# Altium PCB DB_ADCS.PcbDoc (part 1 of 2) (continued)
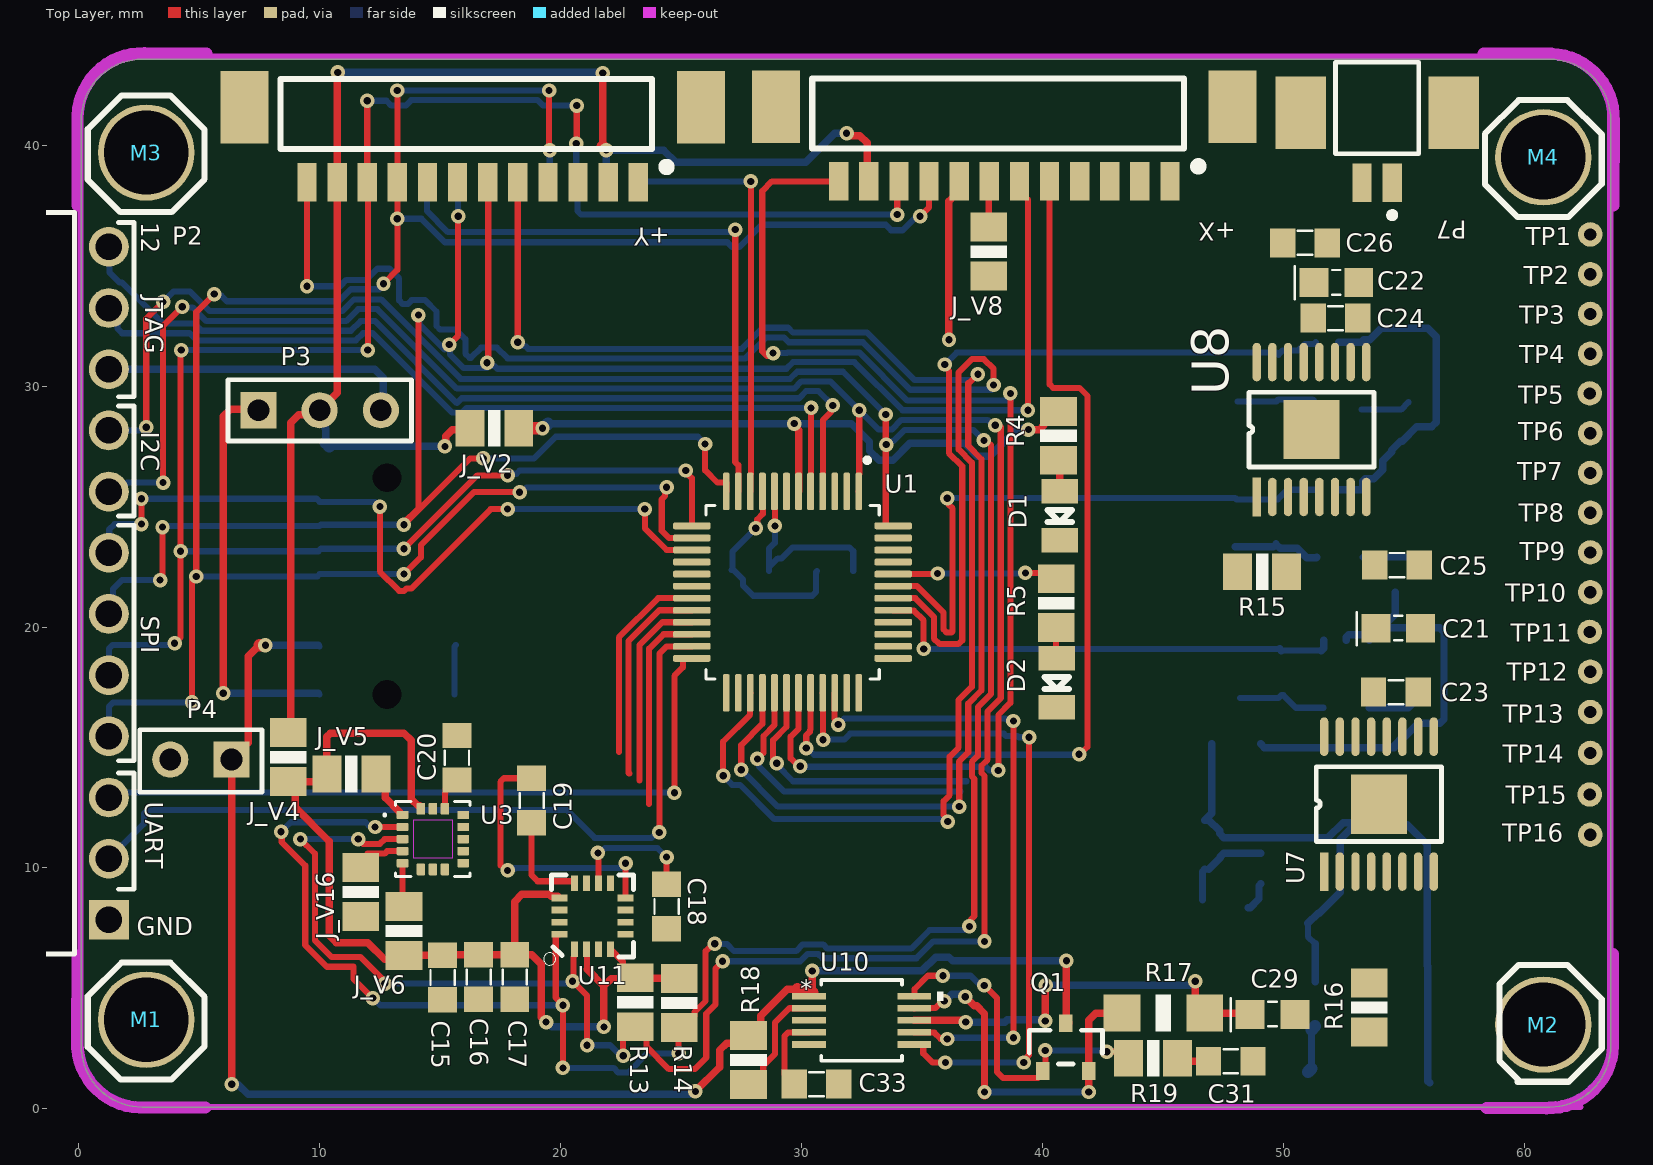
[diagram p0: Top Layer view]
## Part data (continued)
C19 C33: library part Cap_Cer_X7R_0.22uF_0805, "CAP CER 0.22UF 50V X7R 0805", Capacitance=220nF, Case Code (Imperial)=0805, Case Code (Metric)=2012, Dielectric=X7R, Dielectric Material=Ceramic, Manufacturer=KEMET, Manufacturer Part Number=C0805C224K5RACTU, Max Operating Temperature=125°C, Min Operating Temperature=-55°C, Package Quantity=1, Supplier Part Number 1=399-3491-1-ND, Tolerance=10%, Voltage=50V, Case/Package=0805, Category="Ceramic Capacitors", ComponentLink1Description=https://datasheet.ciiva.com/7842/kem-c1002-x7r-smd-7842582.pdf?src-supplier=Element14, ComponentLink1URL=https://datasheet.ciiva.com/7842/kem-c1002-x7r-smd-7842582.pdf?src-supplier=Element14, ComponentLink2Description=https://datasheet.ciiva.com/18193/getdatasheetpartid-304413-18193686.pdf?src-supplier=Verical, ComponentLink2URL=https://datasheet.ciiva.com/18193/getdatasheetpartid-304413-18193686.pdf?src-supplier=Verical, ComponentLink3Description=https://datasheet.ciiva.com/14589/70095383-14589519.pdf?src-supplier=Allied+Electronics, ComponentLink3URL=https://datasheet.ciiva.com/14589/70095383-14589519.pdf?src-supplier=Allied+Electronics, ComponentLink4Description=https://datasheet.ciiva.com/14603/70095383-14603247.pdf?src-supplier=Allied+Electronics, ComponentLink4URL=https://datasheet.ciiva.com/14603/70095383-14603247.pdf?src-supplier=Allied+Electronics, ComponentLink5Description=https://datasheet.ciiva.com/28682/1851736-28682316.pdf?src-supplier=Element14, ComponentLink5URL=https://datasheet.ciiva.com/28682/1851736-28682316.pdf?src-supplier=Element14, Depth=1.25mm, Dissipation Factor=2.5%, Height=1.1mm, Lead Pitch=0.75mm, Length=2mm, Mount="Surface Mount,PCB", Packaging="Tape and Reel", Pricing 1="1=0,20000, 10=0,13900, 100=0,06550, 500=0,04592, 1000=0,03802 (USD)", Radiation Hardening=No, REACH SVHC="No SVHC", RoHS=Yes, Stock 1=1491563, Supplier 1=Digi-Key, Termination=SMD/SMT, Thickness=0.055inch, Voltage Rating=50V, Voltage Rating (DC)=50V, Width=0.049inch
C20: library part Cap_Cer_X7R_0.47uF_50V_0805, "CAP CER 0.47UF 50V 10% X7R 0805", Partnumber=C0805C474K5RACTU, NCM=8532.24.10
C28 C30 C35: library part Cap_Cer_X7R_18pF_50V_0805, "CAP CER 18pF 50V 5% X7R 0805", Partnumber=CC0805JRNPO9BN180, NCM=8532.24.10
C29: library part Cap_Tant_SMD_100uF_4V_0805, "CAP TANT 100UF 4V 20% 0805", Capacitance=100uF, Case Code (Imperial)=0805, Case Code (Metric)=2012, Dielectric Material=Tantalum, ESR (Equivalent Series Resistance)=5R, Leakage Current=4uA, Manufacturer="Kyocera AVX", Manufacturer Part Number=TACR107M004RTA, Max Operating Temperature=125°C, Min Operating Temperature=-55°C, Package Quantity=1, Supplier Part Number 1=478-4755-1-ND, Tolerance=20%, Voltage Rating=4V, Case/Package=0805, Category="Tantalum Capacitors", ComponentLink1Description=https://datasheet.ciiva.com/265/tac-265068.pdf?src-supplier=Digi-Key, ComponentLink1URL=https://datasheet.ciiva.com/265/tac-265068.pdf?src-supplier=Digi-Key, ComponentLink2Description=https://datasheet.ciiva.com/12890/tac-12890332.pdf?src-supplier=Mouser, ComponentLink2URL=https://datasheet.ciiva.com/12890/tac-12890332.pdf?src-supplier=Mouser, ComponentLink3Description=https://datasheet.ciiva.com/265/tac-265066.pdf?src-supplier=Digi-Key, ComponentLink3URL=https://datasheet.ciiva.com/265/tac-265066.pdf?src-supplier=Digi-Key, ComponentLink4Description=https://datasheet.ciiva.com/265/tac-265067.pdf?src-supplier=Digi-Key, ComponentLink4URL=https://datasheet.ciiva.com/265/tac-265067.pdf?src-supplier=Digi-Key, ComponentLink5Description=https://datasheet.ciiva.com/11301/tac-11301084.pdf?src-supplier=Avnet, ComponentLink5URL=https://datasheet.ciiva.com/11301/tac-11301084.pdf?src-supplier=Avnet, Depth=1.35mm, Dissipation Factor=30%, Features="General Purpose", Height=1.5mm, Height - Seated (Max)=0.059inch, Length=2mm, Mount="Surface Mount", Number of Pins=2, Packaging="Tape and Reel", Polarity=Polar, Pricing 1="1=3,32000, 10=2,68800, 100=2,05280, 500=1,56400, 1000=1,36850 (USD)", RoHS=Yes, Stock 1=1150, Supplier 1=Digi-Key, Termination=SMD/SMT, Voltage Rating (DC)=4V, Width=0.053inch
C31: library part Cap_Cer_X7R_0.0022uF_0805, "Cap Cer 0.0022uF 100V X7R 5% 0805", Capacitance=2.2nF, Case Code (Imperial)=0805, Case Code (Metric)=2012, Dielectric=X7R, Dielectric Material=Ceramic, Insulation Resistance=100GR, Manufacturer="Kyocera AVX", Manufacturer Part Number=08051C222JAT2A, Max Operating Temperature=125°C, Min Operating Temperature=-55°C, Package Quantity=1, Supplier Part Number 1=478-3746-1-ND, Tolerance=5%, Voltage=100V, Case/Package=0805, Category="Ceramic Capacitors", ComponentLink1Description=https://datasheet.ciiva.com/11536/cx7r-11536917.pdf?src-supplier=Avnet, ComponentLink1URL=https://datasheet.ciiva.com/11536/cx7r-11536917.pdf?src-supplier=Avnet, ComponentLink2Description=https://datasheet.ciiva.com/150/cx7r-150872.pdf?src-supplier=Digi-Key, ComponentLink2URL=https://datasheet.ciiva.com/150/cx7r-150872.pdf?src-supplier=Digi-Key, ComponentLink3Description=https://datasheet.ciiva.com/150/cx7r-150873.pdf?src-supplier=Digi-Key, ComponentLink3URL=https://datasheet.ciiva.com/150/cx7r-150873.pdf?src-supplier=Digi-Key, ComponentLink4Description=https://datasheet.ciiva.com/150/cx7r-150874.pdf?src-supplier=Digi-Key, ComponentLink4URL=https://datasheet.ciiva.com/150/cx7r-150874.pdf?src-supplier=Digi-Key, ComponentLink5Description=https://datasheet.ciiva.com/7811/cx7r-7811933.pdf?src-supplier=Element14, ComponentLink5URL=https://datasheet.ciiva.com/7811/cx7r-7811933.pdf?src-supplier=Element14, ComponentLink6Description=https://datasheet.ciiva.com/7811/cx7r-7811934.pdf?src-supplier=Element14, ComponentLink6URL=https://datasheet.ciiva.com/7811/cx7r-7811934.pdf?src-supplier=Element14, ComponentLink7Description=https://datasheet.ciiva.com/7811/cx7r-7811935.pdf?src-supplier=Element14, ComponentLink7URL=https://datasheet.ciiva.com/7811/cx7r-7811935.pdf?src-supplier=Element14, Contact Plating=Tin,Matte, Depth=1.25mm, Dissipation Factor=2.5%, Height=0.94mm, Lead Free="Lead Free", Length=2.01mm, Mount="Surface Mount", Number of Pins=2, Packaging="Tape and Reel", Pricing 1="1=0,23000, 10=0,15400, 100=0,07790, 500=0,05328, 1000=0,04713 (USD)", Radiation Hardening=No, REACH SVHC="No SVHC", RoHS=Yes, Stock 1=21530, Supplier 1=Digi-Key, Termination=SMD/SMT, Thickness=0.037inch, Voltage Rating=100V, Voltage Rating (DC)=100V, Width=0.049inch
D1: library part LED/G_0805, "SMD Green LED", Partnumber=LTST-C171GKT, NCM=8541.40.21
D2: library part LED/R_0603, "SMD Orange LED", Partnumber=LTST-C170KFKT, NCM=8541.40.21
FB1 FB2: library part FB_30R_3A_100MHz_0805, "Ferrite Bead 30 OHM 3A 100MHz", Partnumber=BLM21PG300SN1D, NCM=8504.50.00
FD1 FD2 FD3: "Fiducial for DB board variants"
J_V1 J_V2 J_V3 J_V4 J_V5 J_V6 J_V7 J_V8 J_V9 J_V10 J_V11 J_V12 J_V13 J_V14 J_V15 J_V16: library part R0R_JUMPER_1/16W_0805, "RES 0R OHM 1/16W JUMPER 0805", Partnumber=CRCW08050000Z0EA, NCM=8533.21.20
M1 M2 M3 M4: "Mechanical Hole for DB board variants"
P1: "CONN STACKING 20POS SMD GOLD", Manufacturer=Samtec, Supplier Part Number 1=SAM9412-ND, ComponentLink1Description=https://www.digikey.com/product-detail/en/samtec-inc/FSI-110-03-G-D-AD/SAM9412-ND/6678149, ComponentLink1URL=https://www.digikey.com/product-detail/en/samtec-inc/FSI-110-03-G-D-AD/SAM9412-ND/6678149, ComponentLink2Description=https://br.mouser.com/ProductDetail/Samtec/FSI-110-03-G-D-AD?qs=sGAEpiMZZMvffgRu4KC1RxM6nKwEP14AvPoIU%2FGiIRnIunfAN0MvNQ%3D%3D, ComponentLink2URL=https://br.mouser.com/ProductDetail/Samtec/FSI-110-03-G-D-AD?qs=sGAEpiMZZMvffgRu4KC1RxM6nKwEP14AvPoIU%2FGiIRnIunfAN0MvNQ%3D%3D, ComponentLink3Description=http://www.samtec.com/ftppub/pdf/FSI_03.PDF?src-supplier=Avnet+Europe, ComponentLink3URL=http://www.samtec.com/ftppub/pdf/FSI_03.PDF?src-supplier=Avnet+Europe, Contact Material=Copper, Contact Plating=Gold, Gender=Male, Manufacturer Part Number=FSI-110-03-G-D-AD, Mount="Surface Mount", Number of Contacts=20, Number of Rows=2, Partnumber=FSI-110-03-G-D-AD, Pitch=1mm, Pricing 1="1=6.6, 10=6.325, 25=5.7752, 50=5.5, 100=5.225, 250=4.675, 500=4.4, 1000=3.85, 2500=3.6575 (USD)", Pricing 2="1=6.59, 10=5.5, 100=4.68, 250=4.17, 500=3.84, 1000=3.6 (USD)", Radiation Hardening=No, REACH SVHC="No SVHC", Stock 1=100, Stock 2=50, Supplier 1=Digi-Key, Supplier 2=Mouser, Supplier Part Number 2=200-FSI11003GDAD, Termination=Solder
P2: "Header, 12", Color=Black, Manufacturer="Wurth Electronics", Manufacturer Part Number=61301211021, Supplier Part Number 1=732-5343-ND, Category=Connectors, ComponentLink1Description=http://www.farnell.com/datasheets/1442172.pdf?src-supplier=Farnell, ComponentLink1URL=http://www.farnell.com/datasheets/1442172.pdf?src-supplier=Farnell, ComponentLink2Description=http://www.farnell.com/datasheets/1442172.pdf?src-supplier=Element14, ComponentLink2URL=http://www.farnell.com/datasheets/1442172.pdf?src-supplier=Element14, ComponentLink3Description=https://katalog.we-online.de/em/datasheet/6130xx11021.pdf?src-supplier=Digi-Key, ComponentLink3URL=https://katalog.we-online.de/em/datasheet/6130xx11021.pdf?src-supplier=Digi-Key, ComponentLink4Description=http://www.farnell.com/datasheets/1442172.pdf?src-supplier=Newark, ComponentLink4URL=http://www.farnell.com/datasheets/1442172.pdf?src-supplier=Newark, Connector Type="Male Pin", Contact Material=Copper, Contact Mating Length=0.236inch, Contact Plating=Gold, Gender=Male, Mount="Through Hole", Number of Contacts=12, Number of Positions=12, Number of Rows=1, Packaging=Bulk, Pitch=0.1inch, Pricing 1="1=0,90000, 10=0,76600, 25=0,63920, 50=0,53200, 100=0,48400, 500=0,44000 (USD)", REACH SVHC=Unknown, RoHS=Yes, Stock 1=973, Supplier 1=Digi-Key, Termination=Solder
P3: "Header, 3-Pin", LatestRevisionDate=17-Jul-2002, LatestRevisionNote="Re-released for DXP Platform.", Publisher="Altium Limited"
P4: "Header, 2-Pin, Right Angle", LatestRevisionDate=17-Jul-2002, LatestRevisionNote="Re-released for DXP Platform.", Publisher="Altium Limited"
P5 P6 P7 P8: "Header,2-Pin,Right Angle", Color=Beige, Contact Resistance=20mR, Current Rating=1A, Flammability Rating="UL94 V-0", Insulation Resistance=100MR, Manufacturer=Molex, Manufacturer Part Number=53261-0271, Max Operating Temperature=85°C, Min Operating Temperature=-40°C, Package Quantity=1000, Supplier Part Number 1=WM7620CT-ND, Voltage Rating=125V, Category="Headers and Wire Housings", ComponentLink1Description=https://datasheet.ciiva.com/11747/0900766b8078fc90-11747475.pdf?src-supplier=RSComponents, ComponentLink1URL=https://datasheet.ciiva.com/11747/0900766b8078fc90-11747475.pdf?src-supplier=RSComponents, ComponentLink2Description=https://datasheet.ciiva.com/7167/1626147-7167496.pdf?src-supplier=Newark, ComponentLink2URL=https://datasheet.ciiva.com/7167/1626147-7167496.pdf?src-supplier=Newark, ComponentLink3Description=https://datasheet.ciiva.com/30193/198270532610271-pcb-headers-30193321.pdf?src-supplier=Onlinecomponents.com, ComponentLink3URL=https://datasheet.ciiva.com/30193/198270532610271-pcb-headers-30193321.pdf?src-supplier=Onlinecomponents.com, ComponentLink4Description=https://datasheet.ciiva.com/5151/0532610271-pcb-headers-171053-5151611.pdf?src-supplier=Mouser, ComponentLink4URL=https://datasheet.ciiva.com/5151/0532610271-pcb-headers-171053-5151611.pdf?src-supplier=Mouser, ComponentLink5Description=https://datasheet.ciiva.com/34303/1932547-34303342.pdf?src-supplier=Jameco, ComponentLink5URL=https://datasheet.ciiva.com/34303/1932547-34303342.pdf?src-supplier=Jameco, ComponentLink6Description=https://datasheet.ciiva.com/16658/0532610271-pcb-headers-16658423.pdf?src-supplier=Avnet+Europe, ComponentLink6URL=https://datasheet.ciiva.com/16658/0532610271-pcb-headers-16658423.pdf?src-supplier=Avnet+Europe, ComponentLink7Description=https://datasheet.ciiva.com/17035/70091115-17035863.pdf?src-supplier=Allied+Electronics, ComponentLink7URL=https://datasheet.ciiva.com/17035/70091115-17035863.pdf?src-supplier=Allied+Electronics, ComponentLink8Description=https://datasheet.ciiva.com/7920/1887027-7920826.pdf?src-supplier=Element14, ComponentLink8URL=https://datasheet.ciiva.com/7920/1887027-7920826.pdf?src-supplier=Element14, ComponentLink9Description=https://datasheet.ciiva.com/9468/0532610271-pcb-headers-9468506.pdf?src-supplier=Avnet, ComponentLink9URL=https://datasheet.ciiva.com/9468/0532610271-pcb-headers-9468506.pdf?src-supplier=Avnet, ComponentLink10Description=https://datasheet.ciiva.com/22683/1626147-22683562.pdf?src-supplier=Element14, ComponentLink10URL=https://datasheet.ciiva.com/22683/1626147-22683562.pdf?src-supplier=Element14, ComponentLink11Description=https://datasheet.ciiva.com/46393/1808526-46393547.pdf?src-supplier=Element14, ComponentLink11URL=https://datasheet.ciiva.com/46393/1808526-46393547.pdf?src-supplier=Element14, Contact Material=Bronze,Tin, Contact Plating=Tin, Gender=Male, Glow Wire Compliant=Non-compliant, Housing Material=Thermoplastic, Lead Free="Lead Free", Lead Pitch=1.25mm, Mount="Surface Mount", Number of Circuits=2, Number of Contacts=2, Number of Positions=2, Number of Rows=1, Orientation="Right Angle", Packaging="Tape and Reel", Pitch=1.25mm, Pricing 1="1=0,51000, 10=0,48200, 100=0,36940, 500=0,32120 (USD)", Radiation Hardening=No, REACH SVHC=Unknown, RoHS=Yes, Stock 1=38296, Supplier 1=Digi-Key, Termination=SMD/SMT, Voltage Rating (AC)=125V, Voltage Rating (DC)=125V, Working Voltage=125V
Q1: library part CMP-02550-000015-1, "MOSFET N-CH 40V 3A SOT23-3", Continuous Drain Current=3A, Drain to Source Breakdown Voltage=40V, Drain to Source Resistance=0.036Ω, Gate To Source Voltage=20V, Input Capacitace At Vds="540pF @ 20V", Manufacturer=Vishay, Max Forward Diode Voltage=1.2V, Max Junction Temp=+150°C, Package=S-03946, Power Dissipation=0.75W, Pulse Drain Current=16A, Temperature="-55°C to +150°C", Temperature Range Low=-55°C, Typ Forward Diode Voltage=0.8V, Automotive=No, Category=Trans, ComponentLink2Description=Datasheet, ComponentLink2URL=http://www.vishay.com/docs/72322/72322.pdf, Depletion Mode=False, Device Class L1="Discrete Semiconductors", Device Class L2=Transistors, Device Class L3=MOSFETs, Digikey Description="MOSFET N-CH 40V 3A SOT23-3", Drain To Source Voltage=40V, Gate Charge At Vgs="10nC @ 10V", Height=1.12mm, Lead Free=Yes, Manufacturer Part Number=SI2318DS-T1-E3, Mouser Description="MOSFET 40V 6A", Number Of Channels=1, Number Of N Channels=1, Octopart=https://octopart.com/si2318ds-t1-e3-vishay-40866469, RoHS=TRUE, Rthja Max=120°C/W, Standoff Height=0.01mm, Temperature Range High=+150°C, Threshold Vgs Max=3V, Threshold Vgs Min=1V, Transconductance=11S, Turn Off Delay Time=20ns, Turn On Delay Time=5ns
R1: library part R33k_1%_1/10W_0805, "RES 33K OHM 1/10W 1% 0805", Partnumber=RC0805FR-0733KL, NCM=8533.21.20
R2 R3 R6 R7 R8 R9 R10 R11 R13 R14: library part R10k_1%_1/8W_0805, "RES 10K OHM 1/8W 1%  0805", Partnumber=CRCW080510K0FKEA, NCM=8533.21.20
R4 R5: library part R330R_1%_1/4W_0805, "RES 330R OHM 1/4W 1% 0805", Partnumber=RC0805FR-07330RL, NCM=8533.21.20
R12: library part R27_5%_1/10W_0805, "RES 47k OHM 1/10W 1% 0805", Partnumber=RC0805FR-0747KL, NCM=8533.21.20
R15 R16: library part R0.015R_1%_0.5W_0805, "RES 0.2 OHM - 0.2W 1% 0805", Partnumber=RL1220S-R20-F, NCM=8533.21.20
R17: library part R0.025_1%_1/4W_1206, "RES 0.025 OHM - 0.25W 1% 1206", Case Code (Imperial)=1206, Case Code (Metric)=3216, Manufacturer="Vishay Dale", Manufacturer Part Number=WSL1206R0250FBA, Max Operating Temperature=170°C, Min Operating Temperature=-65°C, Package Quantity=100, Power Rating=250mW, Resistance=25mR, Temperature Coefficient=75ppm/°C, Tolerance=1%, Case/Package=1206, Category="Chip SMD Resistors", ComponentLink1Description=https://datasheet.ciiva.com/9024/wsl-9024860.pdf?src-supplier=Avnet, ComponentLink1URL=https://datasheet.ciiva.com/9024/wsl-9024860.pdf?src-supplier=Avnet, Composition="Metal Strip", Contact Plating=Tin,Lead, Height=0.635mm, Lead Free="Lead Free", Length=3.2mm, Packaging=Bulk, Pricing 1="100=0,46579, 200=0,42600, 400=0,30800, 600=0,29920, 800=0,29260 (USD)", Radiation Hardening=No, RoHS=Yes, Supplier 1=Avnet, Supplier Part Number 1=WSL1206R0250FBA, Termination=SMD/SMT, Width=1.6mm
R18: library part R510K_1%_1/8W_0805, "RES 510K OHM 1/8W 1% 0805", Case Code (Imperial)=0805, Case Code (Metric)=2012, Manufacturer=Vishay, Manufacturer Part Number=CRCW0805510KFKEA, Max Operating Temperature=155°C, Max Power Dissipation=125mW, Min Operating Temperature=-55°C, Package Quantity=10, Resistance=510kR, Supplier Part Number 1=541-510KCCT-ND, Temperature Coefficient=100ppm/°C, Tolerance=1%, Voltage Rating=150V, Case/Package=0805, Category="Chip SMD Resistors", ComponentLink1Description=https://datasheet.ciiva.com/11809/0900766b80d98b26-11809600.pdf?src-supplier=RSComponents, ComponentLink1URL=https://datasheet.ciiva.com/11809/0900766b80d98b26-11809600.pdf?src-supplier=RSComponents, ComponentLink2Description=https://datasheet.ciiva.com/7726/dcrcwe3-7726005.pdf?src-supplier=Element14, ComponentLink2URL=https://datasheet.ciiva.com/7726/dcrcwe3-7726005.pdf?src-supplier=Element14, ComponentLink3Description=https://datasheet.ciiva.com/16500/dcrcwe3-16500877.pdf?src-supplier=Future+Electronics, ComponentLink3URL=https://datasheet.ciiva.com/16500/dcrcwe3-16500877.pdf?src-supplier=Future+Electronics, ComponentLink4Description=https://datasheet.ciiva.com/16852/dcrcwe3-16852381.pdf?src-supplier=Avnet+Europe, ComponentLink4URL=https://datasheet.ciiva.com/16852/dcrcwe3-16852381.pdf?src-supplier=Avnet+Europe, ComponentLink5Description=https://datasheet.ciiva.com/2467/dcrcwe3-2467631.pdf?src-supplier=Digi-Key, ComponentLink5URL=https://datasheet.ciiva.com/2467/dcrcwe3-2467631.pdf?src-supplier=Digi-Key, ComponentLink6Description=https://datasheet.ciiva.com/5542/dcrcwe3-109170-5542150.pdf?src-supplier=Mouser, ComponentLink6URL=https://datasheet.ciiva.com/5542/dcrcwe3-109170-5542150.pdf?src-supplier=Mouser, ComponentLink7Description=https://datasheet.ciiva.com/16778/70201119-16778886.pdf?src-supplier=Allied+Electronics, ComponentLink7URL=https://datasheet.ciiva.com/16778/70201119-16778886.pdf?src-supplier=Allied+Electronics, ComponentLink8Description=https://datasheet.ciiva.com/26316/fld-crcw-e3-data-en-26316507.pdf?src-supplier=Distrelec, ComponentLink8URL=https://datasheet.ciiva.com/26316/fld-crcw-e3-data-en-26316507.pdf?src-supplier=Distrelec, ComponentLink9Description=https://datasheet.ciiva.com/2467/dcrcwe3-2467629.pdf?src-supplier=Digi-Key, ComponentLink9URL=https://datasheet.ciiva.com/2467/dcrcwe3-2467629.pdf?src-supplier=Digi-Key, ComponentLink10Description=https://datasheet.ciiva.com/22683/1847332-22683325.pdf?src-supplier=Element14, ComponentLink10URL=https://datasheet.ciiva.com/22683/1847332-22683325.pdf?src-supplier=Element14, ComponentLink11Description=https://datasheet.ciiva.com/2467/dcrcwe3-2467630.pdf?src-supplier=Digi-Key, ComponentLink11URL=https://datasheet.ciiva.com/2467/dcrcwe3-2467630.pdf?src-supplier=Digi-Key, ComponentLink12Description=https://datasheet.ciiva.com/8896/dcrcwe3-8896286.pdf?src-supplier=Avnet, ComponentLink12URL=https://datasheet.ciiva.com/8896/dcrcwe3-8896286.pdf?src-supplier=Avnet, Composition="Thick Film", Contact Plating=Tin, Depth=1.25mm, Features="Automotive AEC-Q200", Height=0.45mm, Lead Free="Lead Free", Length=2mm, Military Standard=Not, Mount="Surface Mount", Number of Pins=2, Number of Terminations=2, Packaging="Tape and Reel", Power Rating=125mW, Pricing 1="1=0,10000, 10=0,06200, 100=0,02540, 1000=0,01142, 2500=0,00991 (USD)", Radiation Hardening=No, REACH SVHC=Unknown, RoHS=Yes, Stock 1=12876, Supplier 1=Digi-Key, Termination=SMD/SMT, Voltage Rating (DC)=150V, Weight=0.000194oz, Width=1.25mm
R19: library part R22K_1%_1.25W_0805, "RES 22K OHM 1.25W 1% 0805", Case Code (Imperial)=0805, Case Code (Metric)=2012, Manufacturer=Vishay, Manufacturer Part Number=CRCW080522K0FKEA, Max Operating Temperature=155°C, Max Power Dissipation=125mW, Min Operating Temperature=-55°C, Package Quantity=10, Resistance=22kR, Supplier Part Number 1=541-22.0KCCT-ND, Temperature Coefficient=100ppm/°C, Tolerance=1%, Voltage Rating=150V, Case/Package=0805, Category="Chip SMD Resistors", ComponentLink1Description=https://datasheet.ciiva.com/7673/1720486-7673152.pdf?src-supplier=Element14, ComponentLink1URL=https://datasheet.ciiva.com/7673/1720486-7673152.pdf?src-supplier=Element14, ComponentLink2Description=https://datasheet.ciiva.com/11808/0900766b80d98b26-11808659.pdf?src-supplier=RSComponents, ComponentLink2URL=https://datasheet.ciiva.com/11808/0900766b80d98b26-11808659.pdf?src-supplier=RSComponents, ComponentLink3Description=https://datasheet.ciiva.com/2514/dcrcwe3-2514289.pdf?src-supplier=Digi-Key, ComponentLink3URL=https://datasheet.ciiva.com/2514/dcrcwe3-2514289.pdf?src-supplier=Digi-Key, ComponentLink4Description=https://datasheet.ciiva.com/2514/dcrcwe3-2514290.pdf?src-supplier=Digi-Key, ComponentLink4URL=https://datasheet.ciiva.com/2514/dcrcwe3-2514290.pdf?src-supplier=Digi-Key, ComponentLink5Description=https://datasheet.ciiva.com/2514/dcrcwe3-2514291.pdf?src-supplier=Digi-Key, ComponentLink5URL=https://datasheet.ciiva.com/2514/dcrcwe3-2514291.pdf?src-supplier=Digi-Key, ComponentLink6Description=https://datasheet.ciiva.com/7672/1697337-7672966.pdf?src-supplier=Element14, ComponentLink6URL=https://datasheet.ciiva.com/7672/1697337-7672966.pdf?src-supplier=Element14, ComponentLink7Description=https://datasheet.ciiva.com/16852/dcrcwe3-16852982.pdf?src-supplier=Avnet+Europe, ComponentLink7URL=https://datasheet.ciiva.com/16852/dcrcwe3-16852982.pdf?src-supplier=Avnet+Europe, ComponentLink8Description=https://datasheet.ciiva.com/5548/dcrcwe3-109170-5548344.pdf?src-supplier=Mouser, ComponentLink8URL=https://datasheet.ciiva.com/5548/dcrcwe3-109170-5548344.pdf?src-supplier=Mouser, ComponentLink9Description=https://datasheet.ciiva.com/26317/fld-crcw-e3-data-en-26317161.pdf?src-supplier=Distrelec, ComponentLink9URL=https://datasheet.ciiva.com/26317/fld-crcw-e3-data-en-26317161.pdf?src-supplier=Distrelec, ComponentLink10Description=https://datasheet.ciiva.com/3258/dcrcwe3-3258332.pdf?src-supplier=Avnet, ComponentLink10URL=https://datasheet.ciiva.com/3258/dcrcwe3-3258332.pdf?src-supplier=Avnet, ComponentLink11Description=https://datasheet.ciiva.com/3258/dcrcwe3-3258333.pdf?src-supplier=Avnet, ComponentLink11URL=https://datasheet.ciiva.com/3258/dcrcwe3-3258333.pdf?src-supplier=Avnet, ComponentLink12Description=https://datasheet.ciiva.com/22676/1847332-22676335.pdf?src-supplier=Element14, ComponentLink12URL=https://datasheet.ciiva.com/22676/1847332-22676335.pdf?src-supplier=Element14, Composition="Thick Film", Contact Plating=Tin, Depth=1.25mm, Features="Automotive AEC-Q200", Height=0.45mm, Lead Free="Lead Free", Length=2mm, Military Standard=Not, Mount="Surface Mount", Number of Terminations=2, Packaging="Tape and Reel", Power Rating=125mW, Pricing 1="1=0,10000, 10=0,06200, 100=0,02540, 1000=0,01142, 2500=0,00991 (USD)", Radiation Hardening=No, REACH SVHC=Unknown, RoHS=Yes, Stock 1=4249, Supplier 1=Digi-Key, Termination=SMD/SMT, Voltage Rating (DC)=150V, Weight=0.000194oz, Width=0.049inch
TP1 TP2 TP3 TP4 TP5 TP6 TP7 TP8 TP9 TP10 TP11 TP12 TP13 TP14 TP15 TP16: "Test point"
U1: "CPU16 MSP430â„¢ FRAM Microcontroller IC 16-Bit 24MHz 32KB _32K x 8_ FRAM 48-LQFP _7x7_", Package="LQFP-48 Texas Instruments", Availability=Unavailable, MF="Texas Instruments", MP=MSP430FR2355TPT, Price=None, SnapEDA_Link=https://www.snapeda.com/parts/MSP430FR2355TPT/Texas%20Instruments/view-part/2780516/?ref=snap
U3: "Gyroscope X _Pitch_, Y _Roll_, Z _Yaw_ Â±250, 500, 1000, 2000 27kHz IÂ²C, SPI 16-LGA _3x3_", Package="PQFN-16 TDK-InvenSense", Availability=Unavailable, MF="TDK InvenSense", MP=IAM-20380, Price=None, SnapEDA_Link=https://www.snapeda.com/parts/IAM-20380/TDK%20InvenSense/view-part/2757130/?ref=snap
U10: "LTC4368 - 100V UV/OV and Reverse Protection Controller with Bidirectional Circuit Breaker", Manufacturer="Analog Devices", Manufacturer Part Number=LTC4368IMS-2#PBF, Supplier Part Number 1=LTC4368IMS-2#PBF-ND, ComponentLink1Description=http://www.linear.com/docs/57622?src-supplier=Digi-Key, ComponentLink1URL=http://www.linear.com/docs/57622?src-supplier=Digi-Key, ComponentLink2Description=http://datasheet.octopart.com/LTC4368IMS-2%23PBF-Linear-Technology-datasheet-78375103.pdf?src-supplier=Newark, ComponentLink2URL=http://datasheet.octopart.com/LTC4368IMS-2%23PBF-Linear-Technology-datasheet-78375103.pdf?src-supplier=Newark, ComponentLink3Description=http://sigma.octopart.com/57693147/technical_drawing/Linear-Technology-LTC4368IMS-2%23PBF.pdf?src-supplier=Linear+Technology, ComponentLink3URL=http://sigma.octopart.com/57693147/technical_drawing/Linear-Technology-LTC4368IMS-2%23PBF.pdf?src-supplier=Linear+Technology, Number of Pins=10, Pricing 1="1=5,46000, 25=3,13000, 100=2,80800 (USD)", Stock 1=2024, Supplier 1=Digi-Key
U11: "Magnetoresistive Sensor X, Y, Z Axis 16-LCC", Package="LCC-16 Honeywell", Availability=Unavailable, MF=Honeywell, MP=HMC5883L-T, Price=None, SnapEDA_Link=https://www.snapeda.com/parts/HMC5883L-T/Honeywell/view-part/4349541/?ref=snap
Y1: library part Xtal_32.768kHz_12pF_2_SMD, "32.768kHz ±20ppm Crystal 12.5pF 70 kOhm -40°C ~ 125°C", Partnumber=ECS-.327-12.5-34S-TR, NCM=8541.60.10
U2: Partnumber=REF5030A-Q1
U4 U5 U9: Partnumber=TLV341AIDBVR
U7 U8: Partnumber=DRV8833PWPR

## Via types
v1: diameter 0.6, hole 0.3, Top Layer to Bottom Layer, 133 vias

## Nets (pads, with @x,y where several pads share a name; then routed paths per layer and width w, separated by ;. In a path a pad name is that pad's centre, name@x,y a point inside that pad or via, vN(x,y) a via of type N, cw(c..) or ccw(c..) an arc to the next point about the centre after c; other vN are vias at no path point)
3V3_Current_Sensing: C27.1 C32.1 C34.1 J_V1.1 U4.5 U4.6 U5.5 U5.6 U9.5 U9.6 | length 32.5
  Bottom Layer w0.31: J_V1.1@49.066,15.15 49.216,15 C34.1@54.6,15 54.6,15.075 54.97,15.445 55.045,15.445 55.6,16 56.493,16 56.675,16.182 56.675,19.793 56.493,19.975 54.4,19.975 54.112,19.687 U9.6@53.575,19.687 ; U5.5@52.3,31.825 U5.6@53.25,31.825 53.349,31.925 53.6,31.925 54.075,32.4 56,32.4 56.35,32.05 56.35,28.507 56.168,28.325 55.55,28.325 54.945,27.72 54.87,27.72 54.5,27.35 C32.1@54.5,27.275 54.13,26.905 54.13,26.53 53.763,26.163 53.399,26.163 53.3,26.064 U4.6@53.3,25.7 U4.5@52.35,25.7 ; U9.5@52.625,19.45 52.625,19.588 52.724,19.687 U9.6@53.575,19.687 ; U9.6@53.575,19.45 U9.6@53.575,19.687 ; C27.1@54.65,21.45 54.65,20.525 54.038,19.913 53.674,19.913 53.575,19.814 U9.6@53.575,19.687
3V3_IMU: C15.1 C16.1 C17.1 J_V4.1 J_V5.1 J_V6.2 R13.2 R14.2 U3.16 U11.2 U11.4 U11.13 | length 43.8
  Top Layer w0.254: U3.16@14.152,12.578 14.2,12.53 U3.16@14.2,12.46 ; 21.1,5.8 U11.2@21.1,6.605 ; U11.4@22.075,6.63 22.592,6.113 22.592,5.914 23.065,5.441 R13.2@23.1,5.441
  Top Layer w0.31: J_V5.1@9.984,13.584 8.862,13.584 J_V4.1@8.7,13.584 8.98,13.304 8.98,12.52 10.4,11.1 10.4,7.198 10.698,6.9 12,6.9 12.7,6.2 J_V6.2@13.332,6.2 ; J_V5.1@10.3,13.9 10.3,15.451 10.449,15.6 13.5,15.6 13.8,15.3 13.8,12.86 14.082,12.578 U3.16@14.152,12.578 ; J_V6.2@13.504,6.372 C15.1@15.097,6.372 ; C15.1@15.112,6.388 C16.1@16.588,6.388 ; C16.1@16.6,6.4 C17.1@18.036,6.4 ; v1@19.2,3.8 19.2,6 18.8,6.4 C17.1@18.1,6.4 18.1,8.602 18.398,8.9 19.538,8.9 19.617,8.821 U11.13@19.884,8.821 ; 21.1,5.8 21.8,5.1 ; v1(21.8,3.4) 21.8,5.1 ; R13.2@23.059,5.4 22.1,5.4 21.8,5.1 ; R13.2@23.116,5.425 R14.2@24.909,5.425
  Top Layer w0.508: J_V5.1@9.984,13.584 J_V5.1@10.3,13.9 ; J_V6.2@13.332,6.2 J_V6.2@13.5,6.368 J_V6.2@13.504,6.372 ; C15.1@15.097,6.372 C15.1@15.1,6.375 C15.1@15.112,6.388 ; C16.1@16.588,6.388 C16.1@16.6,6.4 ; C17.1@18.036,6.4 18.068,6.368 C17.1@18.1,6.4 ; R13.2@23.059,5.4 R13.2@23.1,5.441 R13.2@23.116,5.425 ; R14.2@24.909,5.425 R14.2@24.925,5.409
  Bottom Layer w0.31: v1@19.425,3.6 19.625,3.4 v1(21.8,3.4)
  Bottom Layer w0.508: v1(19.4,3.6) v1@19.425,3.6
*SHDN: U1.33 U10.6 | length 29.2
  Top Layer w0.254: U1.33@30.88,17.27 30.893,17.257 30.893,16.558 30.9,16.551 v1(30.9,15.325) ; U10.6@34.684,2.674 35.044,2.674 35.056,2.662 35.056,2.302 35.434,1.925 v1(35.975,1.925) ; v1(39.225,1.925) 39.225,2.019 39.45,2.244 v1@39.45,15.275
  Bottom Layer w0.254: v1(30.9,15.325) 31.775,15.325 32.025,15.575 38.4,15.575 38.5,15.475 38.975,15.475 39.025,15.425 v1(39.45,15.425) ; v1(35.975,1.925) v1(39.225,1.925)
AGND: C5.2 C8.2 C9.2 C10.2 C11.2 C12.2 C14.2 C27.2 C32.2 C34.2 FB2.2 J_V7.2 J_V8.1 J_V10.2 J_V11.2 J_V13.2 J_V14.2 U2.4 U4.2 U5.2 U9.2
"ANTENNA VCC": P1.3
AVCC_3V3: C5.1 C8.1 C9.1 C11.1 C12.1 FB1.2 J_V1.2 J_V3.2 U2.2 | length 31.1
  Bottom Layer w0.254: C5.1@51.025,7.7 C5.1@51.025,7.15 C5.1@51.325,6.85 ; C5.1@51.448,8.123 C5.1@51.498,8.123 ; U2.2@53.06,11.885 U2.2@53.875,11.885
  Bottom Layer w0.31: J_V1.2@47.034,15.15 47.034,12.266 J_V3.2@46.75,11.982 46.912,11.982 47.357,11.537 47.357,11.432 47.539,11.25 51.85,11.25 52.485,11.885 53.06,11.885 52.375,11.2 52.375,9 C5.1@51.498,8.123 ; C5.1@51.025,7.7 C5.1@51.448,8.123 ; FB1.2@51.325,5.275 C5.1@51.325,6.85 ; U2.2@53.875,11.885 53.93,11.83 54.936,11.83 54.965,11.8 55.15,11.8 55.975,10.975 C12.1@55.975,8.325 55.975,5.945 C11.1@55.995,5.925 C8.1@55.995,3.475 55.995,1.155 C9.1@56.075,1.075